# KiCad board SHVC-CPU-01.kicad_pcb (continued)
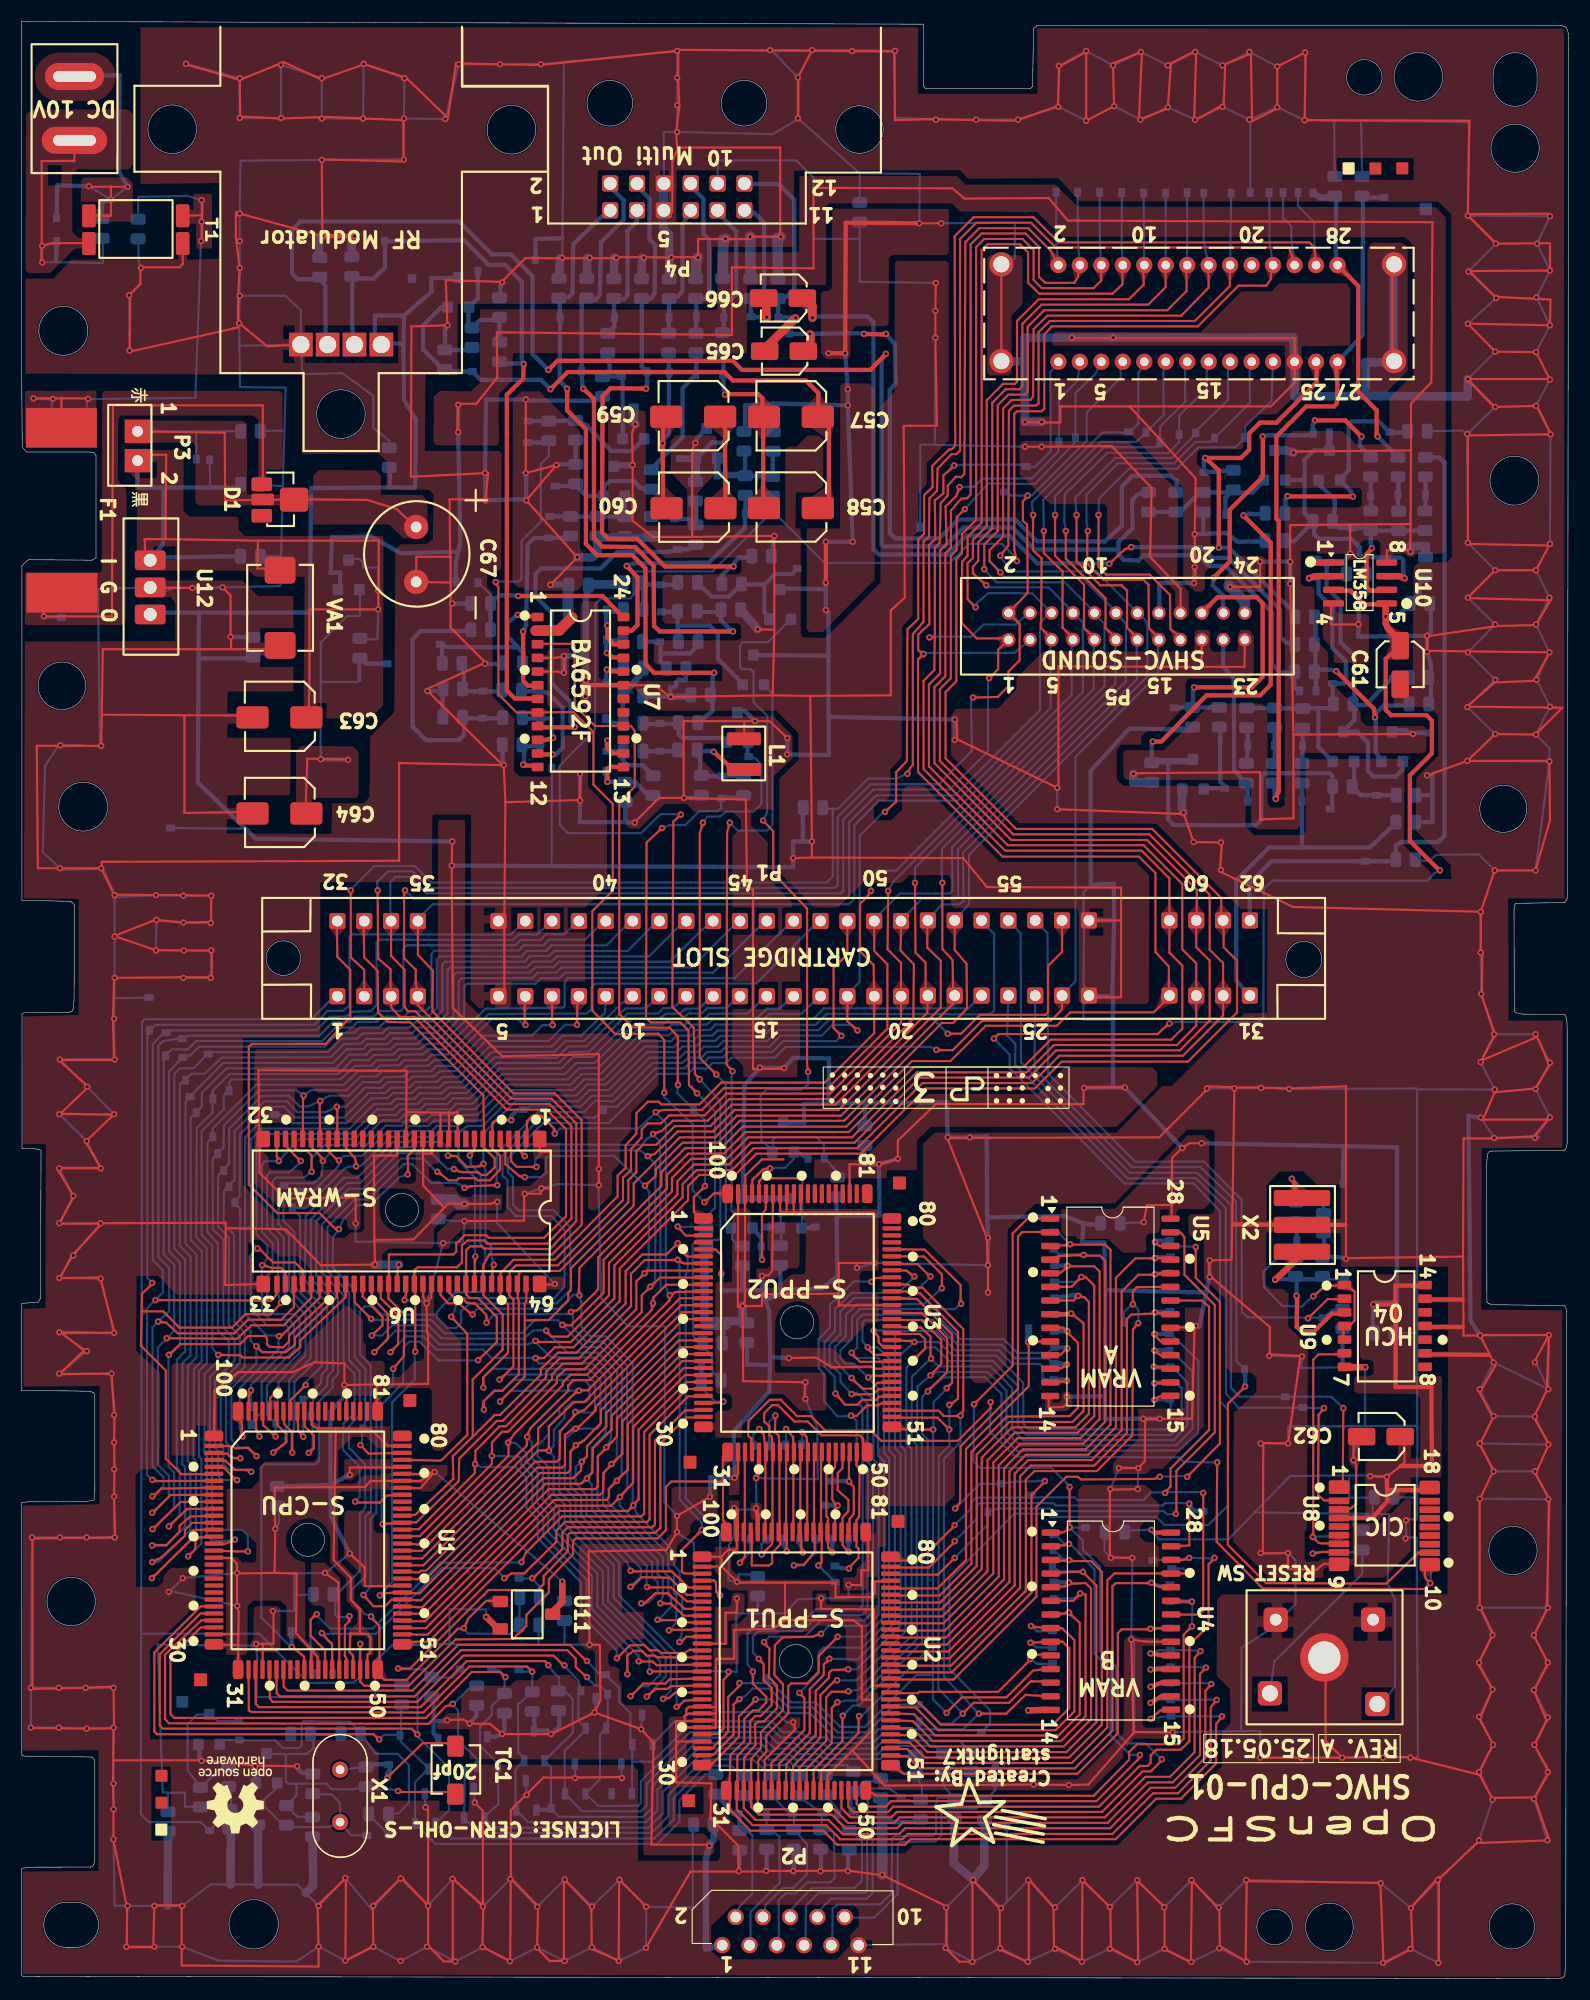
[diagram p0: board, top side]
## Routing (per net, layer and track width the routed paths; a pad name or vN(x,y) marks a point on that pad's centre or on a via; arc(x,y) is an arc through that point) (continued)
+9V: length 290.1
  Top w0.2: 118.48,115.81 118.18,129.91 118.18,135.31 123.83,135.36 ; 118.48,115.81 118.48,108.01 115.38,107.91 115.38,112.31 103.63,112.21 ; 118.48,115.81 129.48,115.86 ; 129.39,135.41 129.38,132.96 127.18,132.96 U10.8 ; 129.39,135.41 129.43,142.26 ; 129.39,135.41 123.83,135.36 ; 129.43,142.26 129.43,146.61 131.33,148.61 131.43,163.51 97.48,163.66 95.68,165.76 87.83,165.71 86.73,166.66 73.78,166.71 73.78,159.21 66.18,159.31 66.18,153.01 44.28,153.26 44.33,149.06 42.38,146.61 40.68,146.61 40.63,144.11 ; 129.43,142.26 118.48,142.16 ; 123.83,135.36 123.76,135.3 123.76,132.68 v1(123.78,132.66) ; v1(112.58,129.56) 115.38,129.56 115.38,131.86
  Bottom w0.4: 40.68,132.84 40.45,131.76 40.45,130.79 40.48,130.06 ; 40.68,132.84 35.35,132.69 32.55,134.26 28.93,134.19 28.8,130.86 29.7,130.91 29.68,130.19 29.68,129.46 ; 40.68,132.84 40.88,133.74 v1(40.68,143.96) v1(40.68,146.51) ; v1(123.78,132.66) 123.34,132.1 123.35,131.71 123.36,131.36 ; v1(118.18,129.86) v1(118.18,131.91) v1(115.38,131.91) ; 130.68,115.96 130.08,115.99 v1(129.63,115.86) 128.97,116.19 128.48,116.21 127.79,116.2 ; 103.59,112.15 v1(103.58,112.16)
  Bottom w0.8: v1(129.38,132.86) 129.38,133.37 130.83,133.37 130.83,132.71 R50.2 ; v1(118.48,142.06) 117.78,142.26 Q16.3 ; R49.1 104.66,111.33 103.58,111.33 v1(103.58,112.16)
  Bottom w1: 112.48,129.69 112.48,129.67 113.95,128.2 P5.24
+9VF: length 44.7
  Top w0.2: P3.1 18.93,143.91 18.98,137.61 22.73,137.66 25.63,137.71 32.18,137.66 34.93,136.81 36.7,135.18
  Bottom w0.2: 16.28,144.04 11.23,144.01 ; 16.28,144.04 TP237.1 ; 16.28,144.04 C32.2
+9VS: length 102.4
  Top w0.2: v1(33.23,127.46) 26.83,127.46 26.83,119.96 26.78,119.21 26.78,117.86 26.49,117.58 ; 11.52,132.16 11.48,134.01 13.43,134.01 ; 33.23,127.66 33.25,127.68 33.25,129.23 33.28,129.26 33.28,133.86 22.03,133.86 ; 13.43,134.01 13.48,141.86 11.73,141.86 P3.2 ; 13.43,134.01 22.03,133.86 ; 22.03,133.86 21.98,131.26 23.58,131.26
  Bottom w0.2: TP238.1 17.58,138.81 ; 30.38,132.16 31.48,132.16 31.83,131.76 31.83,131.36 33.23,131.36 v1(33.23,129.21) v1(33.23,127.46) 33.15,124.69 32.98,124.68 31.38,124.71
  Bottom w0.4: C34.2 13.11,132.31 ; U12.1 13.18,133.56 13.23,138.81 ; 13.23,138.81 20.33,138.81 C33.2 ; 13.23,138.81 10.78,138.81 P3.2
+10V: length 59.4
  Top w0.2: T1.3 16.83,164.16 16.83,165.31 16.83,161.81 ; 3.73,147.11 6.23,147.11 ; 3.73,147.11 F1.1 ; 3.73,147.11 v1(1.13,147.11)
  Bottom w0.2: C31.1 10.88,165.86 15.48,165.96 v1(16.78,165.56) v1(16.78,163.56) v1(16.73,161.76) 16.2,147.16 6.1,147.04 6.1,145.29 2.7,145.39 2.88,146.99 1.08,147.11
  vias: v1(2.93,147.06) v1(6.23,147.06)
+10VF: length 52.2
  Top w0.2: 22.48,139.11 22.48,146.46 8.53,146.46 8.43,126.81 1.98,126.81 2.13,127.66 F1.2
  Bottom w0.2: 1.98,126.76 2.03,126.71 3.74,126.71 TP239.1
  vias: v1(2.08,126.81)
GND: length 4580.3
  Top w0.2: 64.68,24.06 64.18,24.06 ; 64.68,24.06 64.68,23.36 64.08,23.36 ; 64.68,24.06 64.68,24.66 ; 19.53,123.76 19.53,123.76 23.73,123.76 VA1.2 ; 19.53,123.76 19.53,124.86 v1(19.48,124.91) 19.48,128.76 v1(18.73,129.51) ; 19.53,123.76 7.58,123.76 v1(7.43,114.76) 1.43,114.76 1.53,103.36 v1(7.43,103.36) 8.63,100.91 12.58,100.86 15.13,100.86 v1(17.68,100.81) 17.68,98.36 14.93,98.31 12.48,98.56 8.63,97.06 12.43,95.76 v1(15.13,95.71) 17.73,95.71 17.73,93.21 15.03,93.21 8.63,93.16 8.53,89.21 8.63,85.51 3.48,85.51 6.23,83.01 3.63,80.51 8.58,80.41 5.98,77.91 7.38,75.46 3.28,75.46 4.88,72.81 3.53,70.26 7.48,70.26 4.68,67.26 3.58,65.21 7.33,65.26 8.68,60.11 3.73,60.11 5.83,58.46 3.53,56.26 v1(8.38,56.31) 8.68,52.51 v1(8.63,49.91) 8.68,47.41 v1(8.63,44.86) 8.73,41.06 6.23,41.01 3.63,41.01 1.03,40.96 1.03,26.96 3.58,27.01 5.83,27.06 8.58,27.16 8.63,23.31 7.38,23.26 0.93,23.31 ; 27.88,169.36 35.58,169.16 35.58,173.01 32.03,173.16 28.53,173.31 24.08,173.16 20.38,173.36 v1(20.33,176.91) ; v1(67.17,62.61) 67.38,63.06 U3.98 ; v1(67.17,62.61) 67.23,55.61 72.98,55.51 72.93,54.01 ; v1(67.17,62.61) 68.98,62.61 68.98,63.71 76.13,63.76 ; 75.08,17.64 75.08,18.92 77.4,21.24 ; 135.83,34.66 137.08,32.11 135.68,29.26 137.03,26.96 135.83,24.11 137.08,21.81 v1(135.78,19.21) ; 142.38,148.91 134.63,148.91 137.18,146.31 141.18,146.41 142.48,143.76 134.73,143.66 v1(134.73,133.66) ; 97.78,152.71 118.58,152.71 118.58,148.57 116.38,146.36 103.23,146.36 ; 64.68,24.66 64.18,24.66 ; 64.68,24.66 64.68,25.26 ; 71.93,71.31 72.58,71.31 ; 71.93,71.31 71.93,72.31 ; 71.93,71.31 71.28,71.31 ; 72.58,71.31 79.43,71.31 79.43,66.71 79.48,66.66 ; 72.58,71.31 72.58,72.66 ; 20.08,34.66 20.08,37.71 23.58,37.76 ; v1(124.53,126.06) 121.98,126.06 121.98,127.78 U10.4 ; v1(37.63,15.94) 37.88,15.7 v1(37.88,6.76) ; 91.1,150.51 91.27,150.68 91.27,159.36 91.1,159.53 ; v1(135.83,34.51) 135.83,44.61 137.13,47.31 135.83,49.71 137.08,52.21 135.83,54.51 137.28,57.06 v1(135.88,59.86) 134.33,59.86 134.28,67.21 ; 76.13,63.76 76.13,66.61 77.78,66.61 ; 76.13,63.76 76.13,62.66 U3.68 ; 20.13,34.56 20.23,34.09 20.21,32.06 ; 35.01,64.91 35.03,65.86 35.08,66.16 ; 103.23,146.36 96.78,146.36 96.78,144.86 95.03,144.86 93.63,144.91 ; 103.23,146.36 109.38,139.66 v1(109.28,134.46) 109.33,131.51 109.33,129.81 ; v1(103.98,45.56) 101.38,45.51 101.38,39.21 v1(103.48,39.16) ; 71.12,33.36 71.12,36.82 71.08,36.86 ; 71.12,33.36 70.08,32.56 66.38,32.46 66.38,29.76 64.7,29.76 64.68,25.26 ; 71.12,33.36 77.48,33.36 78.28,32.76 78.28,25.96 79.28,25.96 79.28,23.16 77.4,21.24 ; 39.38,71.76 39.78,72.16 v1(41.28,72.11) 43.63,72.11 v1(44.33,72.31) ; 39.38,71.76 37.43,73.81 37.4,76.81 ; 39.38,71.76 36.53,68.81 32.88,68.76 ; 99.18,179.36 96.68,178.01 96.53,174.31 92.58,172.96 88.93,173.01 85.08,173.11 81.38,173.01 81.28,179.41 61.18,179.56 61.18,176.86 61.28,174.31 60.98,171.86 61.08,170.46 61.18,170.46 ; v1(79.43,66.61) 77.78,66.61 ; 77.78,66.61 77.78,66.31 ; 66.63,41.44 66.63,40.01 66.53,39.91 65.83,39.91 65.18,39.26 ; v1(15.93,129.46) U12.2 ; v1(27.98,169.31) v1(28.03,162.21) 19.98,164.41 ; 61.91,24.53 61.78,24.46 61.78,23.96 ; 61.91,24.53 62.18,24.66 62.98,24.66 ; 61.91,24.53 61.92,25.06 62.18,25.26 63.48,25.26 ; 32.88,68.76 32.83,76.61 34.98,76.61 U6.17 ; 32.88,68.76 v1(32.93,66.46) 27.88,66.41 24.63,69.76 19.02,69.86 ; 61.18,170.46 60.63,169.21 60.64,167.05 ; 61.18,170.46 70.68,170.46 70.68,162.16 v1(67.88,162.16) 67.66,161.95 63.03,161.95 63.03,160.26 60.63,160.26 60.58,160.21 57.83,160.26 55.33,160.26 55.23,160.16 46.93,160.16 44.73,157.96 39.53,158.11 39.68,153.86 ; U6.13 38.23,76.81 37.4,76.81 ; 19.98,164.41 v1(20.33,164.31) ; 19.98,164.41 19.98,162.01 20.33,159.21 20.18,156.76 20.18,153.71 10.08,151.46 10.13,156.31 v1(10.03,156.71) 11.08,157.76 11.08,158.86 v1(11.13,159.26) ; 19.02,69.86 19.03,70.36 v1(7.38,70.31) ; 19.02,69.86 18.98,64.56 U6.33 ; 102.33,47.56 v1(104.03,47.51) 104.63,48.16 104.68,52.11 109.03,52.11 109.28,60.66 107.13,60.58 ; 77.4,21.24 80.38,17.96 v1(94.28,18.06) v1(97.58,18.01) 99.38,18.06 103.58,22.86 ; 39.93,132.36 39.97,132.32 39.97,125.77 43.23,122.51 37.68,120.01 44.93,112.86 45.08,109.51 ; 39.93,132.36 39.88,137.71 43.23,137.71 43.48,140.16 36.28,139.81 36.33,153.81 v1(39.68,153.91) ; 39.93,132.36 36.78,132.36 C67.2 39.88,129.96 ; 103.58,22.86 103.68,22.96 v1(107.23,22.91) ; 103.58,22.86 v1(103.38,31.56) 104.78,31.36 107.33,31.35 ; 31.53,32.11 32.23,32.06 32.53,31.71 32.48,30.31 32.23,30.16 U1.49 ; 31.53,32.11 30.63,32.11 30.58,30.36 30.88,30.11 U1.47 ; 31.53,32.11 31.53,34.36 30.68,35.26 30.68,37.31 29.08,38.96 29.18,45.75 ; v1(116.98,174.21) v1(116.98,178.01) v1(119.58,179.31) ; 27.03,30.56 26.98,29.11 ; 27.03,30.56 25.58,32.16 25.63,37.71 23.58,37.76 ; 27.03,30.56 27.58,29.94 U1.42 ; 134.28,67.21 123.38,67.06 123.38,83.06 118.03,82.86 115.38,82.96 112.93,82.96 110.73,83.06 105.98,78.31 88.38,78.26 86.23,78.26 89.93,68.96 v1(90.03,66.41) 90.03,63.81 ; 134.28,67.21 134.33,78.21 136.98,78.21 140.88,78.41 142.18,79.96 136.13,79.96 137.23,82.51 141.03,82.86 142.33,85.01 141.18,87.66 135.98,85.46 137.28,87.86 136.03,91.46 136.08,95.61 135.93,95.76 135.93,99.11 136.13,99.31 ; 142.04,28.91 142.18,29.26 140.88,26.76 142.08,24.01 140.93,21.71 142.33,19.26 v1(140.88,16.71) ; 61.68,109.96 61.68,117.06 67.33,117.06 ; 95.1,24.86 95.38,25.13 ; v1(45.53,9.26) 45.58,9.3 45.58,15.67 47.02,17.11 v1(47.05,17.11) 47.05,17.15 48.62,18.71 51.68,18.71 55.98,18.76 ; U1.79 34.08,49.61 32.53,51.16 29.28,51.21 ; 8.55,20.31 16.93,20.31 21.88,19.81 25.78,19.76 ; 8.55,20.31 v1(8.58,23.36) ; 8.55,20.31 8.53,18.11 8.58,15.71 8.58,12.86 9.83,6.61 9.83,2.91 12.28,2.91 12.38,6.81 14.93,6.81 14.93,1.21 27.68,1.11 27.68,2.81 27.58,6.81 30.23,9.36 v1(30.18,1.66) 32.78,3.01 32.73,6.76 35.38,9.41 37.88,6.81 37.88,3.06 39.35,1.59 v1(40.41,1.59) 40.18,1.82 40.18,9.31 43.03,6.76 42.93,2.96 45.53,1.61 45.58,9.36 48.13,6.71 48.03,2.81 49.2,1.63 v1(50.59,1.63) 50.53,1.7 50.53,9.26 53.08,6.61 53.13,2.76 55.63,1.66 55.68,9.21 58.2,6.69 v1(58.2,6.68) ; v1(58.18,2.86) 62.33,9.96 69.31,9.96 v1(69.37,10.02) 69.37,10.01 74.28,10.01 76.88,10.06 80.23,9.61 86.18,6.71 86.18,2.75 87.36,1.56 v1(88.58,1.56) 88.58,9.21 91.13,6.51 91.13,2.71 93.83,1.46 93.83,9.26 96.13,6.61 96.18,3.01 98.78,1.61 v1(98.83,9.16) 101.43,6.61 101.48,2.81 104.03,1.46 103.93,9.11 106.48,6.66 106.48,2.71 108.93,1.51 109.03,9.11 111.58,6.41 111.63,3.01 114.03,1.61 114.13,9.06 126.58,8.91 126.88,1.41 129.58,2.81 129.43,6.61 132.03,9.46 132.03,1.46 ; 61.78,23.96 63.28,23.96 ; 61.78,23.96 60.98,23.96 60.98,23.36 ; 29.28,51.21 29.18,45.75 ; 29.28,51.21 27.53,51.21 27.03,51.56 27,52.81 ; U1.75 37.38,46.96 v1(38.48,47.16) ; 65.23,38.36 65.23,39.26 63.53,39.26 ; 65.23,38.36 63.53,38.34 ; 65.23,38.36 66.65,36.94 v1(66.66,36.94) 66.73,36.86 75.83,36.86 75.83,35.51 79.08,35.51 79.48,35.86 79.48,36.96 81.08,37.04 ; 45.08,109.51 44.98,99.01 44.98,91.76 ; 45.08,109.51 51.98,109.71 52.08,112.21 ; v1(20.08,37.76) 20.08,38.61 19.54,39.15 18.26,39.15 18.23,39.11 ; 109.93,122.11 96.59,122.16 96.59,110.98 v1(96.48,110.86) ; 109.93,122.11 113.93,122.11 P5.23 ; 109.93,122.11 P5.19 ; v1(83.63,163.41) v1(85.68,163.41) ; v1(111.73,105.76) v1(109.18,105.81) v1(108.23,108.56) ; 70.93,84.71 68.53,84.66 68.14,84.66 68.14,101.41 67.58,101.41 67.48,109.76 v1(61.73,109.91) 59.38,109.91 57.13,107.66 57.08,107.66 ; 23.63,41.91 23.58,45.71 29.18,45.75 ; 108.33,108.41 96.43,108.86 ; 60.98,23.36 61.18,23.36 ; 60.98,23.36 62.88,23.36 ; 60.98,23.36 60.98,22.06 ; v1(23.64,41.86) 23.58,37.76 ; v1(42.98,6.71) 42.98,6.71 42.98,15.62 v1(42.22,16.38) ; v1(97.38,54.16) 97.38,53.51 97.03,53.21 95.68,53.16 95.68,54.26 95.43,54.23 ; U3.98 67.43,73.04 ; U3.98 67.43,74.76 68.98,76.26 70.98,76.26 ; v1(20.28,154.11) 22.88,151.96 P7.1 ; v1(142.38,148.86) v1(141.08,151.41) v1(137.28,151.46) v1(134.73,154.06) v1(142.38,153.91) 142.43,156.31 137.28,156.56 134.88,158.96 v1(142.38,159.01) 142.38,161.56 137.38,161.51 134.63,164.26 142.18,164.31 ; 71.28,71.31 71.28,72.71 ; 71.28,71.31 70.68,71.31 U3.93 ; 21.47,117.58 7.48,117.66 ; v1(71.34,115.48) 69.68,117.06 v1(68.33,117.06) 67.33,117.06 ; 67.33,117.06 67.33,115.76 ; 60.98,22.06 62.88,22.06 ; 60.98,22.06 60.98,18.26 64.28,18.16 64.18,14.96 66.78,12.36 v1(66.82,9.99) ; 101.48,178.21 104.38,179.41 104.08,173.01 106.78,174.11 107.08,178.31 109.43,179.51 109.23,172.96 111.98,174.46 112.13,178.21 114.53,179.21 114.63,172.91 116.98,174.11 ; 48.28,64.91 48.58,64.61 49.48,64.61 ; 29.18,45.75 32.03,45.76 32.48,46.31 U1.74 37.18,46.31 v1(38.48,47.16) ; 21.44,108.61 15.18,108.51 15.18,117.51 ; v1(134.68,113.36) 131.08,112.06 ; v1(134.68,113.36) v1(137.28,115.86) v1(141.08,115.81) 141.08,115.86 143.53,118.31 134.63,118.41 137.23,120.66 140.88,120.81 v1(142.33,123.46) 134.68,123.56 130.98,123.61 130.93,124.96 137.38,125.91 141.08,126.01 142.43,128.31 134.88,128.51 ; v1(134.68,113.36) 142.33,113.36 142.38,107.81 v1(141.03,103.16) v1(137.23,103.16) v1(135.93,99.31) 118.43,99.76 111.63,103.06 111.83,105.81 ; 7.48,103.56 7.48,103.96 35.18,104.06 35.18,113.16 v1(44.93,112.96) ; v1(134.73,164.11) 134.88,172.96 v1(119.53,173.01) 119.63,179.11 ; v1(99.18,179.46) v1(99.18,172.96) v1(101.78,174.31) v1(101.68,178.11) ; 64.68,25.26 64.18,25.26 ; U1.31 20.2,31.06 ; 20.2,31.06 20.21,32.06 ; 20.2,31.06 18.18,31.06 ; 60.64,167.05 P4.6 ; 60.64,167.05 60.61,164.48 P4.5 ; U3.99 66.73,62.51 67.03,62.51 ; v1(123.03,20.56) 126.78,20.66 129.23,20.61 135.83,18.96 136.98,16.81 140.93,16.86 142.33,12.86 135.58,12.61 v1(131.93,9.16) ; v1(123.03,20.56) 121.48,22.11 121.48,29.36 ; v1(123.03,20.56) 115.23,20.56 ; 15.48,178.16 20.33,176.76 24.43,178.41 27.93,176.81 31.93,178.21 35.83,176.96 39.73,173.21 40.48,178.31 44.38,178.21 48.38,178.16 v1(61.08,179.46) ; 37.4,76.81 U6.14 ; 142.38,133.41 134.88,133.56 ; v1(73.65,179.54) v1(72.33,176.99) v1(72.33,173.19) ; v1(38.48,47.16) 37.18,45.66 U1.73 ; 87.13,117.21 87.18,115.36 96.68,110.76 ; 11.38,159.31 14.73,159.31 15.02,159.61 T1.4 ; 20.21,32.06 17.93,32.06 ; v1(134.73,128.56) v1(137.28,131.11) v1(141.08,131.11) v1(142.38,133.56) ; v1(142.28,59.91) 135.88,59.91 ; v1(142.28,59.91) 140.98,57.51 ; v1(142.28,59.91) 142.08,54.76 140.88,52.26 142.28,49.76 141.03,46.96 142.33,44.66 142.08,34.36 140.88,31.91 v1(142.18,29.41) ; 67.43,62.63 67.46,62.6 ; U8.9 121.28,38.61 120.63,38.06 117.98,38.11 v1(117.98,39.61) 115.63,39.56 115.68,49.86 v1(117.98,49.81) 119.13,57.96 116.28,58.11 116.28,60.66 110.63,65.46 110.63,66.86 112.73,66.91 v1(112.98,82.86) ; 127.69,150.51 127.69,159.53 ; v1(49.28,129.76) v1(51.78,132.31) v1(47.03,137.61) v1(49.83,140.91) v1(46.98,140.16) v1(46.98,147.01)
  Top w0.4: U2.96 68.58,43.06 v1(68.43,43.78) ; U3.35 68.7,47.29 v1(68.43,46.59) 68.46,46.61 68.48,46.61 ; v1(66.39,43.8) 66.62,43.57 66.62,41.81 ; v1(74.93,129.96) v1(74.93,133.76) ; 134.23,63.21 130.98,63.21 U9.13 ; v1(31.03,162.21) v1(28.03,162.21) ; U9.9 131.18,58.11 136.68,58.06 ; v1(75.18,151.31) v1(76.73,151.31) 76.78,163.46 v1(83.63,163.41) ; 134.23,60.66 131.08,60.66 U9.11 ; 112.83,70.21 X2.3 123.33,70.16
  Top w0.6: U9.7 123.58,56.91 v1(125.18,56.91) ; v1(93.78,24.96) 95.43,25.01 ; 50.37,36.86 50.37,35.05 49.48,34.16 U11.3
  Top w1: 47.9,125.49 50.08,125.52 v1(51.28,126.71)
  Bottom w0.2: v1(101.78,174.31) v1(104.23,173.06) v1(106.78,174.21) v1(109.33,173.06) v1(111.88,174.26) v1(114.38,173.06) ; 83.45,14.56 83.75,14.79 83.3,14.56 ; P4.6 59.83,171.91 v1(61.08,171.91) ; 6.38,41.06 v1(8.68,41.06) v1(8.63,44.86) v1(8.63,47.41) v1(8.63,49.91) v1(8.63,52.46) v1(8.38,56.31) v1(3.53,56.31) v1(6.08,58.41) v1(3.53,60.16) v1(8.63,60.11) v1(7.38,65.16) v1(3.53,65.21) v1(4.83,67.31) v1(7.38,70.31) v1(3.53,70.31) v1(4.83,72.86) v1(3.53,75.41) v1(7.38,75.41) v1(6.08,77.96) v1(3.53,80.46) v1(8.63,80.46) v1(6.13,83.01) v1(3.58,85.56) v1(8.68,85.56) v1(8.63,89.36) 8.65,91.26 ; 6.38,41.06 v1(3.58,41.06) v1(0.98,41.06) v1(0.88,27.06) ; 6.38,41.06 v1(6.08,41.06) ; v1(35.63,173.16) v1(39.48,173.11) v1(40.73,178.21) v1(44.58,178.21) v1(48.38,178.21) v1(61.08,179.46) v1(61.08,176.96) v1(61.08,174.41) v1(61.08,171.91) ; v1(35.63,173.16) v1(35.68,176.91) v1(31.88,178.26) v1(31.83,173.16) v1(27.98,173.16) v1(27.98,176.91) v1(24.18,178.16) v1(24.18,173.21) v1(20.33,173.21) v1(20.33,176.91) v1(15.33,178.26) ; v1(35.63,173.16) v1(35.63,169.36) v1(27.98,169.31) 20.4,169.24 v1(20.33,164.31) v1(20.33,161.76) v1(20.33,159.26) v1(20.33,156.66) ; 125.15,51.43 117.98,51.39 v1(117.98,49.81) v1(115.43,49.81) ; 125.15,51.43 130.03,51.46 130.02,51.14 ; 125.15,51.43 125.15,56.94 119.2,56.84 v1(119.28,57.91) v1(116.23,57.96) ; P2.11 86.13,3.21 ; 130,82.79 130,82.86 v1(118.08,82.81) v1(115.48,82.91) v1(112.98,82.86) v1(110.43,82.86) ; 130,82.79 130,60.11 ; 130,82.79 v1(137.23,82.76) v1(135.93,85.31) v1(137.18,87.91) ; v1(137.28,151.46) v1(134.73,148.91) v1(137.28,146.31) v1(134.68,143.81) ; v1(142.23,54.86) v1(142.28,59.91) v1(135.88,59.86) ; v1(142.23,54.86) v1(137.13,57.36) v1(135.83,54.86) v1(137.13,52.36) v1(140.98,52.31) v1(142.23,49.71) v1(135.83,49.81) v1(137.13,47.21) v1(140.98,47.21) v1(142.23,44.61) ; v1(142.23,54.86) 140.98,57.51 ; v1(91.23,6.56) v1(93.78,9.16) v1(96.28,6.61) v1(98.83,9.16) v1(101.38,6.66) v1(103.93,9.16) v1(106.44,6.62) v1(108.98,9.16) v1(111.53,6.61) v1(114.09,9.17) v1(126.61,8.87) v1(129.43,6.56) v1(131.93,9.16) ; v1(91.23,6.56) 91.77,7.11 91.77,14.2 TP253.1 ; v1(91.23,6.56) v1(88.65,9.18) v1(86.13,6.61) v1(86.08,2.85) v1(88.58,1.56) v1(91.18,2.81) v1(93.73,1.56) v1(96.28,2.76) v1(98.78,1.56) v1(101.38,2.76) v1(103.93,1.51) v1(106.48,2.76) v1(108.97,1.54) v1(111.58,2.81) v1(114.13,1.56) v1(126.83,1.46) v1(129.38,2.76) v1(131.98,1.46) v1(131.93,9.16) ; v1(119.53,173.01) v1(119.58,179.31) ; v1(119.53,173.01) 122.28,172.98 ; v1(119.53,173.01) v1(116.98,174.21) v1(114.38,173.06) ; v1(15.08,93.16) v1(17.63,93.16) v1(17.68,95.71) v1(15.13,95.71) v1(12.53,95.71) v1(12.58,98.56) v1(15.08,98.31) v1(17.63,98.26) v1(17.68,100.81) v1(15.08,100.81) v1(12.53,100.86) ; 129.99,44.76 130.02,51.14 ; 129.99,44.76 C85.1 ; 129.99,44.76 129.98,42.74 128.95,42.74 129,41.09 129.95,41.04 130.08,20.59 v1(129.38,20.56) v1(126.83,20.56) v1(123.03,20.56) v1(119.18,20.56) v1(115.38,20.56) 115.38,23.06 113.6,23.04 ; 130.02,51.14 130,51.16 130,60.11 ; v1(142.38,148.86) v1(141.08,146.41) v1(142.43,143.76) v1(142.38,133.56) ; 130,60.11 C86.2 ; v1(142.23,44.61) v1(142.18,34.51) ; v1(142.23,44.61) v1(135.83,44.66) ; v1(142.18,34.51) v1(140.88,31.96) v1(142.18,29.41) v1(140.88,26.86) v1(142.18,24.31) v1(140.93,21.76) v1(142.18,19.21) v1(140.88,16.71) v1(142.13,12.86) ; v1(142.18,34.51) v1(135.83,34.51) v1(137.03,31.96) v1(135.78,29.41) v1(137.03,26.91) v1(135.78,24.36) v1(137.08,21.76) v1(135.78,19.21) v1(137.03,16.66) v1(135.78,12.86) v1(131.93,9.16) ; v1(134.68,143.81) 134.13,144.11 C53.1 ; v1(134.68,143.81) v1(134.73,133.66) v1(137.28,131.11) ; C89.1 50.63,36.46 v1(50.38,36.96) 38.7,46.99 ; 91.23,159.46 92.53,160.11 92.53,163.46 v1(85.68,163.41) ; 113.6,23.04 113.65,30.79 116.43,32.61 118.68,34.86 118.68,38.91 v1(117.98,39.61) v1(115.43,39.61) ; 113.6,23.04 107.2,22.94 103.65,22.91 103.65,31.24 v1(103.38,31.56) v1(103.48,39.16) v1(101.48,39.16) 100.88,39.81 100.88,41.46 ; v1(58.2,6.68) 62.53,6.61 62.53,13.86 C87.2 ; v1(58.2,6.68) v1(58.18,2.86) v1(55.64,1.62) v1(53.13,2.9) v1(50.59,1.63) v1(48.03,2.9) v1(45.5,1.61) v1(42.94,2.92) v1(40.41,1.59) v1(37.78,2.96) 35.3,1.61 v1(32.78,2.96) v1(30.18,1.66) v1(27.68,2.96) 25.63,1.59 18.35,1.66 v1(14.98,2.96) v1(12.38,2.96) v1(9.78,2.96) v1(9.88,6.76) ; v1(58.2,6.68) v1(55.7,9.21) v1(53.15,6.71) v1(50.6,9.22) v1(48.04,6.68) v1(45.53,9.26) v1(42.98,6.71) v1(40.15,9.28) v1(37.88,6.76) v1(35.33,9.31) 32.6,6.44 v1(30.18,9.36) v1(27.68,6.76) 25.7,8.74 17.63,8.76 v1(14.98,6.76) v1(12.38,6.76) v1(9.88,6.76) ; R94.1 124.78,172.95 ; 124.78,172.95 134.83,172.84 v1(134.73,164.11) ; 124.78,172.95 122.28,172.98 ; 24.49,144.11 24.6,148.11 20.35,148.16 20.3,152.01 ; 24.49,144.11 C32.1 ; 24.49,144.11 24.35,138.91 ; v1(140.98,78.26) v1(142.38,80.16) v1(141.03,82.81) v1(142.38,85.26) v1(141.03,87.91) v1(137.18,87.91) ; v1(134.73,128.56) v1(137.28,126.06) v1(134.73,123.46) v1(137.28,120.91) v1(134.68,118.36) v1(137.28,115.86) ; 24,43.81 23.98,42.36 v1(23.64,41.86) ; 24.18,132.41 24.1,129.64 v1(18.73,129.51) v1(15.93,129.46) 14.23,129.49 12.88,128.96 ; 24.18,132.41 C34.1 ; 24.18,132.41 24.35,138.91 ; P7.1 26.18,149.36 29.88,149.46 32.78,147.36 32.78,144.36 34.28,143.16 C96.2 ; P7.1 20.3,152.01 ; P7.1 26.03,155.31 24.6,156.66 v1(20.33,156.66) ; 20.3,152.01 v1(20.28,154.11) v1(20.33,156.66) ; R93.1 122.28,172.98 ; C31.2 10.93,159.81 v1(11.13,159.26) ; v1(0.88,27.06) v1(0.88,23.36) v1(3.48,23.36) v1(6.08,23.26) v1(8.58,23.36) v1(8.58,18.16) v1(8.58,15.76) v1(8.58,12.96) 8.68,6.79 v1(9.88,6.76) ; v1(0.88,27.06) v1(3.48,27.06) v1(5.98,27.06) v1(8.58,27.06) ; v1(134.73,154.06) v1(137.38,156.46) v1(134.78,158.91) v1(137.33,161.51) v1(134.73,164.11) ; v1(96.58,174.26) v1(92.83,173.06) v1(88.93,173.06) v1(85.18,173.06) 81.33,173.26 v1(81.38,179.46) 77.3,179.54 69.9,179.54 72.45,176.81 72.38,173.14 70,171.71 v1(61.08,171.91) ; v1(96.58,174.26) v1(99.18,172.96) ; v1(96.58,174.26) v1(96.63,178.06) v1(99.18,179.46) v1(101.68,178.11) v1(104.28,179.36) v1(106.78,178.11) v1(109.33,179.36) v1(111.88,178.11) v1(114.38,179.36) v1(116.98,178.01) ; v1(134.73,164.11) v1(142.38,164.06) v1(141.18,161.51) v1(142.38,159.01) v1(141.13,156.51) v1(142.38,153.91) v1(141.08,151.41) ; v1(141.08,131.11) v1(142.33,128.56) v1(141.08,126.06) v1(142.33,123.46) v1(141.13,120.91) v1(142.38,118.41) v1(141.08,115.81) 142.33,114.54 v1(142.33,113.31) ; v1(137.18,87.91) v1(135.98,91.66) v1(135.93,95.51) v1(135.93,99.31) ; v1(21.78,19.76) 21.84,19.69 ; TP98.1 8.65,91.26 ; 8.65,91.26 v1(8.68,93.16) v1(8.68,97.01) v1(8.68,100.86) ; C91.1 67.63,37.64 66.83,37.64 v1(66.66,36.94) 65.85,37.04 65.9,40.36 66.35,41.14 v1(66.39,43.8) 66.53,43.66 68.45,43.66 v1(68.43,46.59) 74.18,46.49 74.13,51.26 v1(73.03,53.96) v1(73.03,55.51) ; v1(55.92,18.66) DA1.3 ; v1(77.83,66.16) v1(79.43,66.61) v1(90.03,66.41) v1(90.03,63.86) ; v1(83.63,163.41) 83.68,168.01 78.08,168.06 ; v1(20.08,37.76) 15.1,37.29 13.83,36.09 v1(20.1,34.69) ; v1(135.93,80.16) v1(137.18,78.26) 141.38,78.34 ; TP156.1 114.46,166.3 114.46,172.98 v1(114.38,173.06) ; U12.2 7.13,129.36 7.3,114.71 3.5,114.89 2.2,112.91 1.98,104.86 3.78,103.21 7.63,103.34 8.83,100.66 12.78,100.89 ; v1(101.43,45.56) v1(102.23,47.51) v1(104.03,47.51) v1(103.98,45.56) ; 44.3,72.31 44.3,70.34 v1(49.68,64.66) ; 78.08,168.06 v1(72.33,173.19) ; 78.08,168.06 C88.1 ; 21.84,18.23 21.87,18.21 ; R95.2 130.48,104.06 131.13,104.06 131.78,104.61 135.73,104.66 v1(137.23,103.16) ; v1(142.33,113.31) v1(134.68,113.36) ; v1(142.33,113.31) v1(141.03,103.16) ; C33.1 24.35,138.91 ; 50.53,178.26 v1(50.38,160.21) ; v1(96.48,108.86) v1(96.48,110.86) ; v1(10.03,156.71) v1(10.08,151.56) ; v1(51.58,18.66) DA2.3 ; DA3.3 v1(47.05,17.11) ; DA4.3 v1(42.22,16.38) ; DA5.3 v1(37.63,15.94)
  Bottom w0.4: 110.37,63.86 100.98,64.09 ; 110.37,63.86 109.7,60.69 v1(109.38,60.76) ; 110.37,63.86 v1(110.68,65.31) v1(110.68,66.86) ; 100.98,64.09 100.91,54.21 ; 100.98,64.09 100.85,68.54 98.8,68.54 98.93,70.31 ; C81.2 20.58,124.89 v1(19.48,124.91) ; 44.63,157.04 44.6,157.54 v1(44.78,157.91) ; 56.23,107.66 52.03,107.66 v1(52.03,109.66) v1(52.03,112.16) ; 56.23,107.66 v1(57.13,107.61) ; 56.23,107.66 56.25,109.47 ; 47.03,140.16 47,137.74 v1(43.23,137.61) v1(43.18,140.16) 43.28,146.99 v1(46.98,147.01) 47.4,146.91 53.1,146.89 ; R24.2 53.28,146.91 ; v1(106.03,52.11) v1(104.48,52.11) 100.9,52.09 100.91,54.21 ; 68.18,117.21 67.38,118 66.83,118 Q4.3 ; 110.08,134.5 112.23,134.59 113.28,133.76 114.95,133.79 115.66,133.78 ; 110.08,134.5 110.08,136.56 ; 110.08,134.5 v1(109.28,134.46) ; 83.2,14.57 81.15,14.56 80.7,14.94 ; v1(39.68,153.91) 39.45,153.51 39.48,152.24 ; v1(76.99,9.99) 77,10.46 77.01,11.72 ; 131.43,110.16 131.43,112.01 v1(130.93,112.01) ; 131.43,110.16 C54.1 ; 131.43,110.16 131.43,107.66 R96.2 ; 100.91,54.21 97.4,54.16 ; v1(40.13,128.01) 41.43,128.01 41.9,128.13 ; v1(71.33,113.96) 74.38,113.91 75.2,113.91 75.2,117.23 75.43,117.46 ; R64.1 131.28,120.9 131.28,118.87 R65.1 ; R36.2 44.75,122.39 43.2,122.39 v1(43.18,122.41) ; C68.2 65.38,59.46 65.38,61.21 ; 71.92,12 71.94,10.41 v1(71.89,10) ; v1(135.88,59.86) 134.98,61.26 134.78,80.31 v1(135.93,80.16) ; R41.2 58.62,134.24 ; 50.6,140.99 v1(49.83,140.91) ; 70.6,146.62 67.4,146.46 67.4,144.56 ; 70,144.56 69.98,146.64 v1(76.98,146.46) ; 16.58,21.56 16.58,20.61 v1(16.78,20.26) ; v1(86.93,115.31) v1(86.93,117.21) 75.43,117.46 ; 74.93,129.36 70.73,129.41 70.73,129 ; 89.95,70.86 v1(90.03,68.96) v1(90.03,66.41) ; 89.95,70.86 89.9,78.41 v1(88.33,78.31) v1(86.28,78.31) 86.18,81.56 78.6,81.54 ; 89.95,70.86 97.15,70.99 98.93,70.31 ; 38.55,119.89 v1(37.83,119.86) ; v1(74.43,9.99) 74.49,10.43 74.44,12 ; 75.18,81.46 72.85,81.41 72.93,79.68 71.72,79.68 71.71,79.69 Q7.3 ; 75.18,81.46 78.6,81.54 ; 75.18,81.46 75.23,85.66 71.88,85.71 v1(71.03,84.76) v1(68.78,84.81) 67.33,83.16 67.2,73.44 Q3.3 67.2,72.74 ; 125.28,128.9 125.28,130.72 C80.2 ; v1(74.93,129.96) v1(74.93,127.41) 75.17,127.17 75.17,123.16 ; v1(109.28,131.41) v1(109.23,129.91) 105.98,129.94 106,127.51 ; 123.08,56.9 123.03,60.31 C70.2 ; 75.17,123.16 75.17,117.46 75.43,117.46 ; 75.17,123.16 68.33,123.21 68.11,123.02 ; 69.41,12 69.42,10.52 v1(69.37,10.02) ; v1(130.93,125.01) v1(130.93,123.51) 131.25,122.54 131.28,122.14 131.25,121.37 ; v1(130.93,125.01) 124.5,124.94 124.58,125.81 124.53,128.89 125.3,128.91 ; v1(130.93,125.01) 131.28,125.37 131.28,127.91 R51.1 ; 53.52,134.24 53.42,134.34 ; 44.8,114.86 44.83,113.94 44.83,113.46 v1(44.93,112.96) ; v1(74.93,133.76) v1(77.43,133.76) v1(76.98,146.46) ; v1(61.73,109.91) 62.98,109.91 63.33,110.14 ; 98.93,70.31 99.55,70.21 99.57,70.19 100.39,70.19 C94.1 ; v1(76.98,146.46) v1(76.98,147.96) v1(76.73,151.31) ; v1(71.34,115.48) 71.38,114.01 ; 123.33,67.01 122.68,67.16 C56.1 121.34,67.34 121.34,69.2 121.4,69.25 ; v1(66.82,9.99) 66.88,10.59 66.9,11.92 ; C1.1 26.18,19.16 25.98,19.26 25.78,19.46 v1(25.68,19.76) ; 50.75,140.99 51.61,140.99 R45.1 R23.2 ; TP45.1 47.88,161.96 50.39,162.01 ; 41.98,151.81 41.33,151.61 R32.1 ; 78.6,81.54 C83.2 ; 21.84,19.69 21.82,19.67 21.82,18.25 21.84,18.23 ; 39.22,120.06 39.22,117.44
  Bottom w0.6: v1(49.28,129.76) 49.3,129.79 50.92,129.79 C84.2 ; Q5.3 Q3.3
  Bottom w0.8: 65.64,60.78 63.63,60.78 63.63,67.26 C69.1 ; 55.21,160.21 55.2,159.19 55.18,158.29 ; 57.8,160.19 57.78,159.04 57.75,158.29 ; 63.68,61.18 66.87,61.21 C92.1 67.18,61.51 v1(67.17,62.61) ; 86.9,14.86 86.83,10.71 88.63,9.21 ; 13.65,13.81 13.63,6.76 ; 89.7,14.71 89.68,10.54 88.63,9.16 ; v1(35.18,66.46) 32.85,66.44 ; v1(28.03,162.21) 27.71,161.9 27.71,160.23 ; Q13.1 108.08,108.99 v1(108.23,108.56) ; 19.48,8.76 19.5,13.69 19.4,13.87 ; R2.2 22.05,8.75 ; C3.2 27.18,8.66 26.48,7.96 ; 125.23,147.34 134.7,147.29 v1(134.73,148.91) ; 125.23,147.34 125.18,150.49 127.8,150.46 127.8,159.73 127.83,159.76 ; 125.23,147.34 118.6,147.29 P6.23 118.45,152.79 v1(101.68,152.76) v1(97.83,152.76) 93.45,152.74 93.43,150.56 ; 50.06,158.32 50.11,158.37 50.11,159.23 50.1,159.24 50.18,160.15 ; C21.1 30.73,161.41 30.73,161.42 30.73,161.92 v1(31.03,162.21) ; 93.43,150.56 P6.32 ; 93.43,150.56 v1(93.48,144.91) v1(95.03,144.91) ; P4.6 P4.5 59.78,162.96 60.33,162.34 60.33,158.26 ; 52.65,158.31 52.68,159.21 52.7,160.21 ; R41.2 58.51,134.13 56.31,134.13 R44.2 56.09,134.16 53.77,134.16 C19.2 53.63,132.76 53.23,132.36 53.18,132.36 53.13,132.31 v1(51.78,132.31)